# KiCad board for_real_486_rc13.kicad_pcb (continued)
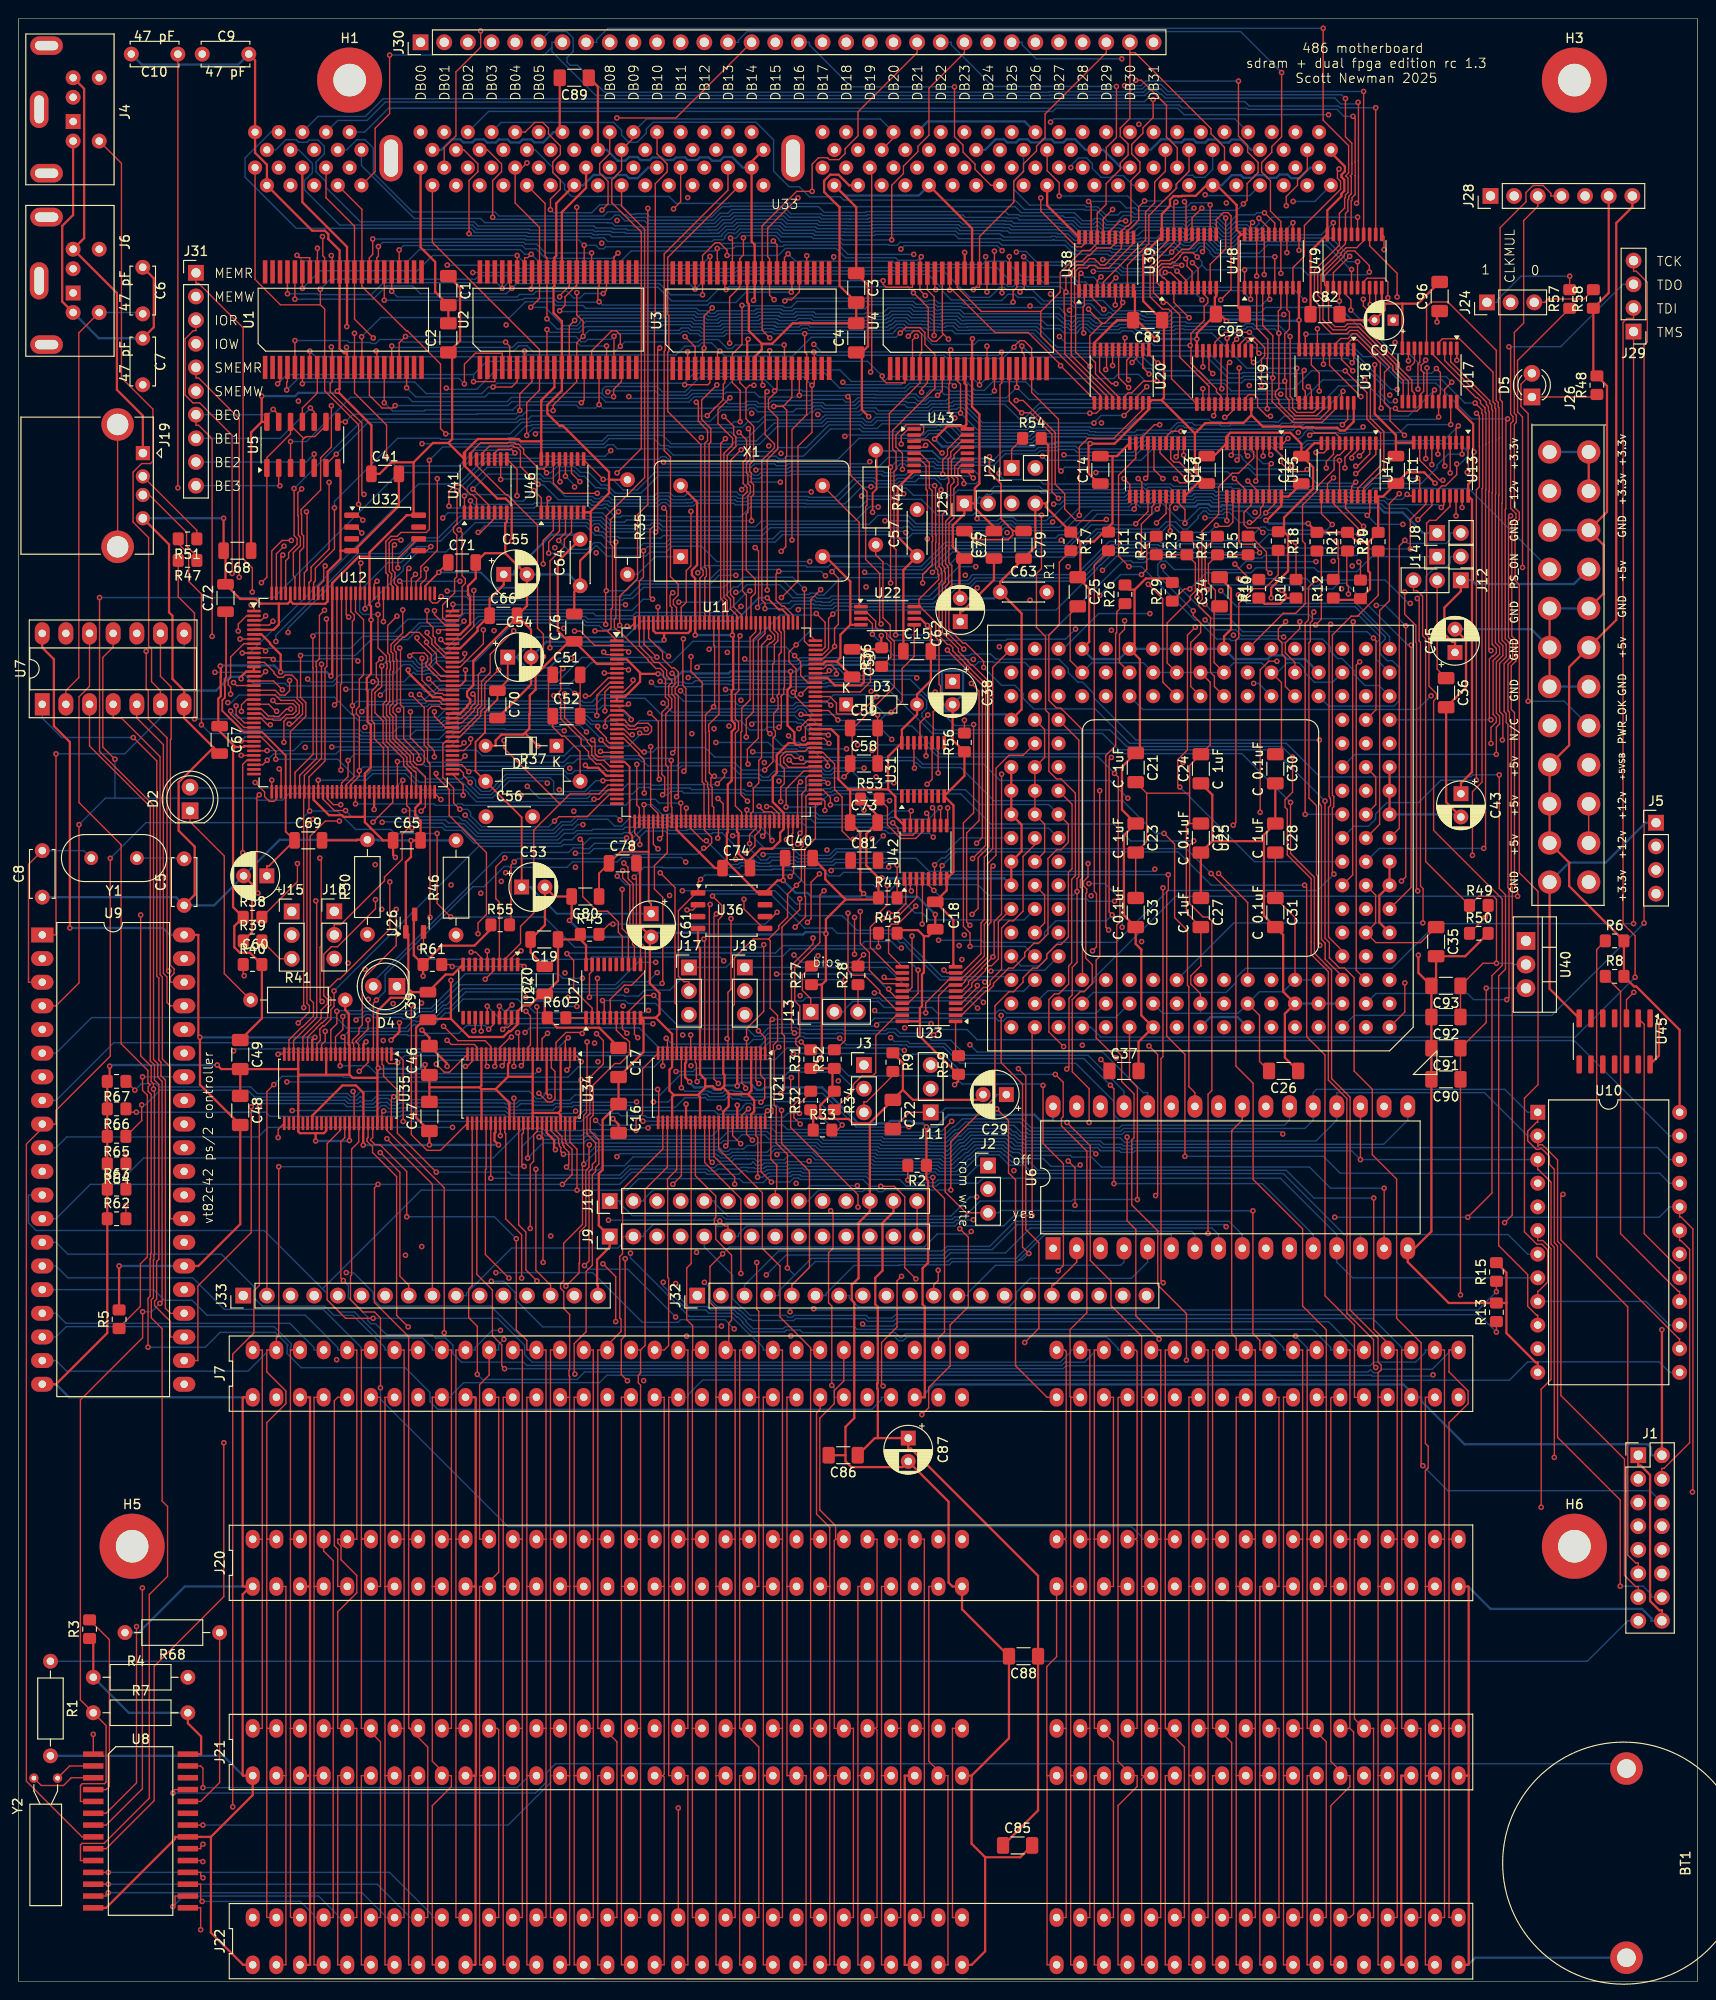
[diagram p0: board, top side]
## Routing (per net, layer and track width the routed paths; a pad name or vN(x,y) marks a point on that pad's centre or on a via; arc(x,y) is an arc through that point) (continued)
DACK_CLK: length 62.4
  Top w0.15: v1(97.55,125.46) 97.75,125.26 U42.12 ; U12.75 47.61,130.68 v1(48.36,129.93) ; U31.12 v1(97.48,131.63)
  In1.Cu w0.15: v1(97.55,125.46) 95.47,127.53 95.47,128.74 ; v1(97.48,131.63) 96.73,131.63 95.47,130.38 95.47,128.74 ; 95.47,128.74 v1(94.03,128.74)
  Bottom w0.15: v1(48.36,129.93) 48.49,130.05 58.63,130.05 58.96,129.73 59.44,129.73 59.76,130.05 70.7,130.05 71.2,130.56 76.58,130.56 77.46,129.67 79.58,129.67 79.91,129.34 80.51,129.34 81.13,129.97 86.17,129.97 86.52,129.61 87.29,129.61 87.64,129.97 89.56,129.97 90.79,128.74 v1(94.03,128.74)
DACK_SERIAL: length 69.7
  Top w0.15: U12.76 47.52,131.18 v1(47.96,131.62) ; v1(93.91,124.45) 94.47,123.89 94.47,123.54 94.89,123.12 96.06,123.12 96.44,123.5 U42.14
  In2.Cu w0.15: v1(47.96,131.62) 42.08,125.75 v1(41.42,125.75)
  Bottom w0.15: v1(93.91,124.45) 85.49,124.45 85.11,124.83 70.18,124.83 69.99,125.02 69.96,125.02 69.89,124.96 69,124.96 68.94,125.02 65.72,125.02 64.8,124.1 64.02,124.1 63.29,124.83 60.09,124.83 59.47,124.2 58.44,124.2 57.56,123.31 49.36,123.31 47.98,124.69 47.67,124.69 47.26,125.1 43.01,125.1 42.36,125.75 v1(41.42,125.75)
DB00: length 227.7
  Top w0.15: 32.41,180.08 32.88,179.61 U1.9 32.88,170.84 36.52,167.2 v1(36.52,158.65) ; 32.41,180.08 28.12,180.08 25.4,182.8 U33.2 ; 32.41,180.08 v1(32.41,181.75) ; U17.18 153.19,171.01 v1(153.95,171.77) ; v1(47.32,155.92) 47.64,155.59 47.64,150.97 47.98,150.63 47.98,150.15 47.64,149.81 47.64,146.92 47.4,146.68 U12.107 ; U49.3 v1(141.88,180.47)
  In1.Cu w0.15: v1(47.32,155.92) 47.32,156.27 44.94,158.65 v1(36.52,158.65) ; J30.1 42.05,208.28 41.99,208.34 33.85,208.34 26.67,201.16 26.67,198.23 25.4,196.96 U33.2
  Bottom w0.15: v1(153.95,171.77) 153.35,172.37 149.31,172.37 141.88,179.8 ; 141.88,179.8 133.96,179.8 133.43,179.26 124.06,179.26 123.53,178.73 121.09,178.73 120.95,178.87 120.72,178.87 120.51,179.08 117.46,179.08 117.27,179.26 117.09,179.26 116.82,179 116.34,179 115.51,179.83 115.51,179.85 115.17,180.19 114.69,180.19 114.36,179.85 114.36,179.84 114.31,179.8 113.4,179.8 113.05,180.15 112.32,180.15 112.32,180.15 109.84,180.15 109.12,180.87 107.34,180.87 107,181.21 106.28,181.21 105.61,180.54 101.65,180.54 101.58,180.61 100.19,180.61 99.28,181.52 99.28,181.77 97.69,183.36 93.82,183.36 93.81,183.37 77.32,183.37 77.14,183.2 49.42,183.2 49.05,182.83 33.49,182.83 v1(32.41,181.75) ; 141.88,179.8 v1(141.88,180.47)
DB01: length 218.8
  Top w0.15: v1(33.59,175.55) 33.68,175.47 U1.10 33.68,171.83 33.47,171.62 33.47,170.75 36.06,168.16 36.09,168.16 36.87,167.38 36.87,159.94 v1(37.1,159.72) ; v1(152.3,173.24) 152.73,172.81 152.73,170.49 152.55,170.31 U17.17 v1(152.55,168.03) ; v1(47.1,160.11) 47.1,156.56 46.72,156.18 46.72,155.7 47.06,155.36 47.06,150.86 46.83,150.63 46.83,149.12 45.55,147.84 45.55,146.47 45.84,146.18 U12.106 ; U49.4 142.54,181.21 143.12,180.63 v1(143.12,179.51)
  In1.Cu w0.15: v1(47.1,160.11) 46.7,159.72 v1(37.1,159.72) ; U33.3 30.08,192.91 31.63,194.45 31.63,195.09 33.14,196.61 33.14,197.12 34.11,198.09 34.11,198.71 35.07,199.67 37.2,199.67 44.68,207.15 45.72,207.15 J30.2
  In2.Cu w0.15: v1(33.59,175.55) 31.48,177.66 31.48,181.68 29.21,183.96 U33.3
  Bottom w0.15: v1(143.12,179.51) 147.8,174.83 149.38,174.83 150.67,173.53 150.67,173.1 151.05,172.72 151.79,172.72 v1(152.3,173.24) ; v1(47.1,160.11) 50.23,163.25 56.35,163.25 56.35,163.25 57.37,163.25 57.59,163.47 68.74,163.47 69.03,163.76 69.51,163.76 69.94,163.34 78.39,163.34 78.87,163.82 81.37,163.82 81.69,163.5 82.17,163.5 82.49,163.82 84.3,163.82 87.23,166.75 90.34,166.75 90.64,166.44 94.56,166.44 95.05,166.94 98.55,166.94 98.78,167.17 98.83,167.17 99.03,166.97 100.11,166.97 101.1,165.97 108.63,165.97 108.93,166.28 109.02,166.28 109.36,166.61 114.94,166.61 115.1,166.45 115.64,166.45 115.69,166.4 119.9,166.4 120.12,166.63 123.67,166.63 124.47,167.43 126.04,167.43 126.31,167.16 129.09,167.16 129.18,167.07 130.1,167.07 130.19,167.16 134.82,167.16 134.86,167.12 135.45,167.12 135.68,167.35 136.64,167.35 137.07,167.78 152.3,167.78 v1(152.55,168.03)
DB02: length 229.9
  Top w0.15: U17.16 151.89,170.73 v1(152.1,170.93) ; U49.7 144.49,182.55 144.88,182.94 146.7,182.94 147.09,182.55 v1(147.09,180.83) ; v1(44.67,147.23) 44.67,146.81 45.8,145.68 U12.105 ; v1(36.08,177.02) U1.13 36.08,170.61 39.52,167.17 v1(39.52,163.72)
  In1.Cu w0.15: J30.3 47.13,208.28 47.13,208.56 46.29,209.41 45.21,209.41 44.42,208.61 44.42,207.42 43.32,206.32 38.79,206.32 37.12,207.99 34,207.99 31.78,205.78 31.78,198.27 30.36,196.84 30.36,196.33 28.85,194.82 U33.4
  In2.Cu w0.15: v1(39.52,163.72) 39.45,163.65 39.45,152.29 40.5,151.24 40.96,151.24 44.67,147.53 v1(44.67,147.23) ; v1(147.09,180.83) 150.56,177.37 150.56,172.47 v1(152.1,170.93) ; v1(36.08,177.02) 36.08,177.74 32.65,181.17 32.17,181.17 31.84,181.51 31.84,182.08 30.5,183.41 30.5,193.13 28.81,194.82 U33.4
  Bottom w0.15: v1(39.52,163.72) 40.47,162.77 47.29,162.77 48.99,164.46 52.79,164.46 53.08,164.76 62.98,164.76 63.28,165.05 63.87,165.05 64.32,164.61 69.66,164.61 70.33,163.94 77.86,163.94 78.24,164.32 81.17,164.32 81.6,164.75 84.61,164.75 87.05,167.18 90.4,167.18 90.79,166.8 92.23,166.8 92.73,167.29 98.4,167.29 98.63,167.52 98.97,167.52 99.13,167.36 100.26,167.36 101.3,166.32 108.48,166.32 108.79,166.63 108.88,166.63 109.21,166.96 115.09,166.96 115.25,166.8 119.04,166.8 120.01,167.78 127.82,167.78 128.07,167.53 129.22,167.53 129.32,167.42 129.95,167.42 130.06,167.53 134.96,167.53 135.01,167.47 135.3,167.47 135.96,168.13 149.29,168.13 v1(152.1,170.93)
DB03: length 214.7
  Top w0.15: v1(36.84,176.65) 36.88,176.61 U1.14 ; U49.8 145.13,180.15 v1(145.19,180.1) ; U17.15 151.29,169.73 v1(151.29,173.3) ; v1(45.1,144.98) 45.29,145.18 U12.104
  In1.Cu w0.15: v1(151.29,173.3) 151.16,173.3 148.44,176.02 148.44,176.28 148.11,176.62 147.84,176.62 146.58,177.88 146.58,178.85 145.33,180.1 v1(145.19,180.1) 142.54,180.1 141.48,179.03 v1(135.91,179.03)
  In2.Cu w0.15: J30.4 49.67,208.28 49.67,208.08 41.51,199.91 35.35,199.91 34.29,198.86 34.29,198.26 33.12,197.09 33.12,196.5 31.75,195.14 U33.5 31.52,192.69 31.52,183.45 36.84,178.14 v1(36.84,176.65) 36.84,168.49 38.42,166.91 38.42,152.14 40,150.55 40,150.02 40.55,149.48 40.6,149.48 v1(45.1,144.98)
  Bottom w0.15: v1(135.91,179.03) 135.79,178.91 128.47,178.91 127.67,178.11 125.51,178.11 125.37,178.24 124.04,178.24 123.82,178.02 120.57,178.02 120.26,178.33 118.09,178.33 117.88,178.12 115.74,178.12 115.56,178.29 115.48,178.29 115.09,178.68 113.74,178.68 113.21,178.16 113.15,178.16 112.94,178.37 112.48,178.37 111.72,179.13 101.56,179.13 101.14,179.55 98.91,179.55 98.83,179.47 98.62,179.47 98.3,179.78 97.99,179.78 97.97,179.76 96.91,179.76 96.89,179.78 96.28,179.78 95.97,180.1 91.37,180.1 90.94,179.67 83.33,179.67 83.11,179.44 82.13,179.44 82.01,179.57 81.92,179.57 81.87,179.63 79.23,179.63 79.05,179.44 75.02,179.44 74.75,179.17 74.27,179.17 74,179.44 73.1,179.44 72.84,179.7 60.93,179.7 60.61,180.02 57.73,180.02 57.35,180.4 54.45,180.4 52.76,178.71 38.9,178.71 v1(36.84,176.65)
DB04: length 215.3
  Top w0.15: U12.102 47.55,144.18 48.9,145.53 v1(48.9,149.4) ; U49.13 145.13,186.41 148.08,183.47 v1(148.08,180.92) ; v1(45.89,166.22) 45.33,166.78 45.33,173.73 41.8,177.26 41.68,177.26 36.88,182.05 36.88,190.32 U33.7 ; v1(151.14,174.14) 151.14,174.05 150.67,173.58 150.67,173.05 150.94,172.79 150.94,170.8 150.59,170.46 150.59,169.05 150.21,168.66 148.2,168.66 v1(147.9,168.96)
  In2.Cu w0.15: v1(45.89,166.22) 45.89,159.92 48.7,157.11 48.7,149.6 v1(48.9,149.4) ; v1(151.14,174.14) 151.14,177.86 v1(148.08,180.92) ; U33.7 35.24,192.91 37.97,195.64 37.97,197.74 39.75,199.52 41.66,199.52 42.33,200.19 44.41,200.19 52.21,208 52.21,208.28 J30.5
  Bottom w0.15: v1(45.89,166.22) 52.8,166.22 54.03,167.45 54.37,167.45 54.37,167.45 54.9,167.45 55.01,167.56 74.26,167.56 75.48,168.77 78.28,168.77 78.51,169 78.99,169 79.4,168.59 83.2,168.59 83.55,168.94 85.18,168.94 85.47,169.22 86.24,169.22 86.52,168.94 90,168.94 90.41,169.36 95.16,169.36 95.46,169.05 97.68,169.05 98.05,169.43 98.33,169.43 98.34,169.42 99.11,169.42 99.11,169.43 99.77,169.43 99.91,169.57 100.23,169.57 100.4,169.74 101.22,169.74 101.23,169.75 101.71,169.75 102.07,169.39 105.93,169.39 107.5,167.82 107.98,167.82 109.66,169.49 139.93,169.49 141.81,171.37 144.99,171.37 147.41,168.96 v1(147.9,168.96)
DB05: length 223.6
  Top w0.15: U12.101 45.8,143.68 v1(45.35,144.13) ; v1(38.1,176.52) 36.08,178.55 36.08,188.53 33.02,191.59 U33.8 ; U17.13 149.94,170.58 149.67,170.85 149.67,172 148.33,173.34 148.33,173.82 144.11,178.04 142.76,178.04 142.46,177.74 141.39,177.74 140.72,178.41 140.72,180.48 139.91,181.29 139.91,183.33 142.06,185.48 142.06,185.67 142.6,186.21 143.73,186.21 144.49,186.97 U49.14 v1(144.49,203)
  In1.Cu w0.15: J30.6 54.75,208.28 54.75,208.07 53.83,207.15 49.53,207.15 49.18,206.79 45.39,206.79 35.44,196.84 35.44,196.33 33.93,194.82 U33.8
  In2.Cu w0.15: v1(38.1,176.52) 39.87,174.76 39.87,164.45 40.14,164.18 40.14,154.86 39.8,154.53 39.8,153.77 41.32,152.26 41.32,151.57 45.67,147.21 45.67,144.45 v1(45.35,144.13)
  Bottom w0.15: v1(144.49,203) 123.47,203 122.71,203.76 121.2,203.76 120.71,203.27 119.72,203.27 119.41,202.96 110.7,202.96 110.65,202.92 62.94,202.92 60.04,205.81 59.25,205.81 58.91,206.15 58.91,206.63 59.57,207.29 59.57,208.74 58.88,209.44 57.04,209.44 J30.6
DB06: length 223.3
  Top w0.15: v1(43.87,147.23) 43.87,146.05 44.52,145.41 44.52,144.52 44.75,144.29 44.75,143.77 45.84,142.68 U12.99 ; 33.68,183.62 33.68,185.28 v1(33.59,185.37) ; U33.9 38.3,194.38 38.3,199.04 39.85,200.6 v1(39.85,206.91) ; U17.12 149.3,171.86 147.97,173.18 147.97,173.67 147.56,174.09 143.96,177.69 142.9,177.69 142.6,177.39 141.21,177.39 140.12,178.47 140.12,180.53 139.56,181.1 139.56,183.48 141.71,185.63 141.71,185.82 142.54,186.64 U49.17 142.54,189.89 142.8,190.15 142.8,191.37 142.89,191.46 142.89,191.73 143.16,192 143.16,193.82 143.05,193.93 143.23,194.1 143.23,195.25 143.22,195.25 143.22,197.43 142.54,198.12 v1(142.54,202.23)
  In2.Cu w0.15: U33.9 36.83,188.61 v1(33.59,185.37) 37.46,181.5 37.46,168.49 38.86,167.1 38.86,152.29 40.35,150.8 40.35,150.17 40.69,149.83 41.28,149.83 v1(43.87,147.23)
  Bottom w0.15: J30.7 57.29,208.28 57.29,207.76 ; v1(39.85,206.91) 56.45,206.91 57.29,207.76 ; 57.29,207.76 57.29,207.27 62,202.57 110.8,202.57 110.84,202.61 119.56,202.61 119.87,202.92 120.86,202.92 121.34,203.41 122.4,203.41 122.55,203.26 122.71,203.26 123.33,202.64 142.12,202.64 v1(142.54,202.23)
DB07: length 227.3
  Top w0.15: U12.98 45.84,142.18 44.39,143.62 44.39,144.15 43.88,144.67 v1(43.88,144.88) ; v1(140.14,209.78) 140.14,199.91 142.87,197.17 142.87,195.1 142.87,195.1 142.87,194.25 142.56,193.93 142.81,193.68 142.81,192.15 142.54,191.87 142.54,191.61 142.44,191.52 142.44,190.47 141.88,189.91 U49.18 141.88,186.49 139.21,183.81 139.21,180.54 139.77,179.98 139.77,178.25 141.04,176.98 142.7,176.98 143.05,177.34 143.81,177.34 147.42,173.73 147.62,173.53 147.62,173.03 148.73,171.92 148.73,169.77 U17.11 ; v1(32.64,187.41) 32.68,187.38 32.68,185.34 32.88,185.14 32.88,183.62
  In1.Cu w0.15: v1(32.64,187.41) 32.51,187.41 31.5,186.41 31.5,179.23 v1(35.22,175.51) ; U33.10 36.7,194.82 37.97,196.09 37.97,198.88 45.47,206.38 49.53,206.38 49.95,206.79 58.58,206.79 59.83,208.05 59.83,208.28 J30.8
  In2.Cu w0.15: v1(35.22,175.51) 35.67,175.06 35.67,162.86 38.07,160.47 38.07,151.99 39.08,150.98 39.08,150.45 43.88,145.65 v1(43.88,144.88) ; v1(32.64,187.41) 32.9,187.67 32.9,193.03 34.69,194.82 U33.10
  Bottom w0.15: v1(140.14,209.78) 63.3,209.78 62.09,208.56 62.09,208.28 J30.8
DB08: length 203.7
  Top w0.15: U48.3 133,177.58 134.2,176.38 134.2,174.44 134.14,174.38 v1(134.14,168.92) ; v1(142.27,170.79) 142.12,170.64 U18.18 ; U33.11 44.45,186.78 55.95,175.27 U2.9 55.95,170.92 54.58,169.54 v1(54.58,166.05) ; v1(29.3,154.77) 28.31,154.77 27.19,153.65 U12.144
  In1.Cu w0.15: v1(29.3,154.77) 29.8,154.77 33.35,158.32 33.35,158.51 33.69,158.85 34.04,158.85 37.81,162.63 50.46,162.63 53.88,166.05 v1(54.58,166.05) ; J30.9 62.37,208.28 62.37,208.1 60.59,206.31 54.43,206.31 46.81,198.69 46.81,198.09 45.84,197.12 45.84,196.61 44.45,195.21 U33.11
  Bottom w0.15: v1(54.58,166.05) 54.58,166.13 55.3,166.85 76.7,166.85 76.8,166.95 77.75,166.95 78.3,167.5 79.47,167.5 80.21,168.24 84.7,168.24 85.05,168.59 85.33,168.59 85.61,168.87 86.09,168.87 86.37,168.59 90.26,168.59 90.68,169 92.09,169 92.39,168.7 97.82,168.7 98.19,169.07 99.9,169.07 99.91,169.08 99.91,169.08 100.05,169.21 100.4,169.21 100.58,169.39 101.37,169.39 101.38,169.4 101.57,169.4 103.54,167.43 108.09,167.43 109.69,169.03 134.14,169.03 ; 134.14,169.03 v1(134.14,168.92) ; 134.14,169.03 140.51,169.03 v1(142.27,170.79)
DB09: length 199.6
  Top w0.15: U12.143 27.69,153.33 v1(28.52,154.16) ; U48.4 133.64,177.85 134.73,176.76 v1(134.73,172.23) 134.65,172.15 134.65,169.69 136.88,167.46 140.02,167.46 141.47,168.91 U18.17 ; v1(56.75,177.42) 56.75,177.42 U2.10
  In1.Cu w0.15: U33.13 46.99,195.18 48.14,196.33 48.14,196.84 49.53,198.23 49.53,198.84 56.55,205.86 62.78,205.86 64.91,208 64.91,208.28 J30.10 ; v1(56.75,177.42) 52.84,177.42 47.31,171.89 47.31,171.19 46.33,170.21 44.82,170.21 35.02,160.41 35.02,160.33 34.07,159.38 33.91,159.38 33.74,159.2 33.54,159.2 33,158.66 33,158.46 31.24,156.71 30.63,156.71 29.31,155.39 29.1,155.39 28.72,155.01 28.72,154.36 v1(28.52,154.16)
  In2.Cu w0.15: v1(56.75,177.42) 56.09,178.08 56.09,179.59 48.92,186.75 48.41,186.75 46.99,188.17 U33.13
  Bottom w0.15: v1(56.75,177.42) 57.05,177.12 60.26,177.12 60.87,177.73 69.07,177.73 69.28,177.94 72.11,177.94 72.37,177.69 73.27,177.69 73.54,177.41 75.48,177.41 75.75,177.69 79.78,177.69 79.96,177.87 81.14,177.87 81.2,177.81 81.28,177.81 81.41,177.69 83.84,177.69 84.06,177.91 84.83,177.91 85.05,177.69 93.33,177.69 93.6,177.95 93.8,177.95 94.18,178.34 95.24,178.34 95.59,177.99 96.96,177.99 97,177.95 97.62,177.95 97.86,177.71 98.74,177.71 98.77,177.68 99.52,177.68 99.64,177.79 100.41,177.79 100.87,177.33 102.04,177.33 102.08,177.37 109.24,177.37 111.44,175.16 120.58,175.16 121.15,174.59 127.54,174.59 129.9,172.23 131.42,172.23 131.59,172.4 134.56,172.4 v1(134.73,172.23)
DB10: length 208.4
  Top w0.15: U18.16 140.82,168.84 139.79,167.82 137.03,167.82 135.38,169.46 135.38,169.87 135.01,170.25 135.01,170.72 135.38,171.1 v1(135.38,177.03) 135.32,177.09 135.32,179.41 135.59,179.68 U48.7 ; v1(59.73,178.4) 59.16,177.83 U2.13 ; U12.142 28.19,153.01 v1(28.38,153.2) ; v1(49.63,209.5) 49.63,207.75 46.98,205.1 46.98,198.22 45.72,196.96 U33.14
  In1.Cu w0.15: v1(28.38,153.2) 27.94,153.64 27.94,154.73 30.27,157.06 31,157.06 32.65,158.71 32.65,158.81 33.57,159.73 33.92,159.73 34.67,160.48 34.67,160.56 44.67,170.56 46.18,170.56 46.52,170.89 46.52,172.07 v1(52.38,177.92) 52.45,178 59.32,178 v1(59.73,178.4) ; v1(49.63,209.5) 66.51,209.5 67.45,208.56 67.45,208.28 J30.11
  In2.Cu w0.15: v1(52.38,177.92) 47.86,182.44 47.86,183.66 45.57,185.95 45.57,194.67 U33.14
  Bottom w0.15: v1(135.38,177.03) 134.94,177.47 132.7,177.47 132.46,177.71 131.98,177.71 131.75,177.47 130.2,177.47 130.14,177.41 125.22,177.41 125.15,177.47 124.26,177.47 124.11,177.32 120.1,177.32 119.8,177.62 118.38,177.62 118.17,177.41 115.45,177.41 115.27,177.59 115.19,177.59 114.8,177.98 114.03,177.98 113.46,177.41 112.9,177.41 112.65,177.66 112.19,177.66 111.98,177.87 110.48,177.87 109.92,178.42 101.64,178.42 101.61,178.39 101.31,178.39 100.85,178.85 99.2,178.85 99.12,178.77 98.33,178.77 98.06,179.03 97.41,179.03 97.4,179.04 96.03,179.04 95.68,179.39 93.74,179.39 93.36,179.01 93.17,179.01 93,178.84 91.11,178.84 91.01,178.74 85.49,178.74 85.27,178.97 83.62,178.97 83.4,178.74 81.84,178.74 81.72,178.87 81.63,178.87 81.57,178.92 79.53,178.92 79.34,178.74 75.31,178.74 75.04,178.47 73.98,178.47 73.71,178.74 72.81,178.74 72.55,179 60.32,179 v1(59.73,178.4)
DB11: length 201.8
  Top w0.15: U48.8 136.25,179.57 136.52,179.3 136.52,177.47 136.02,176.97 v1(136.02,171.88) 136.16,171.73 136.16,170.17 136.48,169.86 136.48,168.86 137.17,168.17 139.43,168.17 140.17,168.91 U18.15 ; v1(57.42,168.72) 57.42,169.29 59.95,171.83 U2.14 59.95,176 v1(60.64,176.69) 60.64,178.31 59.96,178.99 v1(59.96,181.39) ; U12.141 28.69,152.59 29.01,152.91 29.01,153.46 29.91,154.36 29.91,154.97 29.59,155.29 v1(29.59,160.35)
  In1.Cu w0.15: J30.12 69.99,208.28 69.99,208 67.5,205.51 61.27,205.51 54.61,198.85 54.61,198.23 53.22,196.84 53.22,196.33 52.56,195.67 51.53,195.67 51.31,195.9 50.37,195.9 49.53,195.06 U33.15
  In2.Cu w0.15: U33.15 59.96,182.48 v1(59.96,181.39)
  Bottom w0.15: v1(29.59,160.35) 37.05,167.8 53.39,167.8 53.74,168.15 54.07,168.15 54.64,168.72 v1(57.42,168.72) ; v1(60.64,176.69) 61.29,177.33 70.94,177.33 71.2,177.59 71.97,177.59 72.22,177.33 73.13,177.33 73.4,177.06 75.62,177.06 75.9,177.33 79.92,177.33 80.11,177.52 80.99,177.52 81.05,177.46 81.13,177.46 81.26,177.33 83.98,177.33 84.21,177.56 84.68,177.56 84.91,177.33 93.48,177.33 93.75,177.6 93.94,177.6 94.33,177.99 95.09,177.99 95.45,177.64 96.82,177.64 96.85,177.6 97.44,177.6 97.68,177.36 98.59,177.36 98.63,177.32 100.28,177.32 100.62,176.98 102.19,176.98 102.23,177.02 108.98,177.02 111.18,174.81 119.99,174.81 120.36,174.45 120.79,174.45 121.64,173.6 121.8,173.6 122.41,172.99 126.81,172.99 127.81,171.99 129.64,171.99 129.93,171.7 131.39,171.7 131.74,172.05 133.69,172.05 134.09,171.65 135.79,171.65 v1(136.02,171.88)
DB12: length 203.5
  Top w0.15: v1(59.95,190.55) 59.95,182.09 59.85,182.09 58.7,180.94 58.7,180.02 v1(58.12,179.44) ; U18.14 139.52,168.92 139.12,168.52 137.32,168.52 136.86,168.98 136.86,169.97 136.59,170.24 v1(136.59,176.67) ; U12.139 29.69,150.81 29.51,150.98 29.51,153.47 30.27,154.22 30.27,155.11 30.06,155.32 30.06,157.41 30,157.47 30,159.89 v1(30.41,160.31) ; v1(136.25,185.69) U48.13
  In1.Cu w0.15: v1(59.95,190.55) 59.56,190.94 49.96,190.94 48.26,192.64 U33.16 ; v1(58.12,179.44) 55.58,179.44 55.2,179.06 52.16,179.06 33.97,160.87 33.97,160.77 33.63,160.43 30.53,160.43 v1(30.41,160.31)
  In2.Cu w0.15: v1(136.25,185.69) 134.99,184.43 134.99,178.28 v1(136.59,176.67) ; v1(59.95,190.55) 60.95,191.54 60.95,193.33 62.11,194.5 62.11,194.93 63.62,196.45 63.62,197.09 64.77,198.23 64.77,198.88 73.04,207.15 73.66,207.15 J30.13
  Bottom w0.15: v1(136.59,176.67) 135.44,177.82 132.84,177.82 132.61,178.06 131.84,178.06 131.6,177.82 130.06,177.82 129.99,177.76 125.36,177.76 125.3,177.82 124.12,177.82 123.96,177.67 120.31,177.67 120.01,177.98 118.24,177.98 118.03,177.76 115.59,177.76 115.42,177.94 115.34,177.94 114.95,178.33 113.88,178.33 113.32,177.76 113.04,177.76 112.79,178.02 112.33,178.02 112.12,178.22 112.07,178.22 111.52,178.78 101.5,178.78 101.46,178.74 101.45,178.74 100.99,179.2 99.06,179.2 98.98,179.12 98.47,179.12 98.21,179.38 97.56,179.38 97.55,179.39 96.17,179.39 95.82,179.75 93.41,179.75 92.85,179.19 90.96,179.19 90.86,179.09 85.64,179.09 85.41,179.32 83.48,179.32 83.25,179.09 81.99,179.09 81.86,179.22 81.78,179.22 81.72,179.28 79.38,179.28 79.2,179.09 75.17,179.09 74.9,178.82 74.13,178.82 73.86,179.09 72.95,179.09 72.69,179.35 58.2,179.35 v1(58.12,179.44)
DB13: length 201.8
  Top w0.15: U12.138 30.19,153.58 30.62,154.01 30.62,155.26 30.41,155.47 30.41,157.55 30.35,157.61 30.35,158.09 32.44,160.18 32.44,163.65 33.6,164.8 v1(33.6,169.24) ; v1(58.12,180.94) 58.12,181.05 59.16,182.09 59.16,183.62 ; U18.13 138.87,170.97 v1(138.55,171.29) ; v1(135.67,205.03) 135.67,198.13 134.62,197.08 134.62,196.46 133.53,195.37 133.53,194.35 134.48,193.41 134.48,190.14 135.59,189.03 U48.14 v1(135.59,183.46)
  In1.Cu w0.15: v1(33.6,169.24) 37.76,169.24 49.11,180.59 57.77,180.59 v1(58.12,180.94)
  In2.Cu w0.15: J30.14 76.2,207.15 75.58,207.15 67.31,198.88 67.31,198.23 65.92,196.84 65.92,196.4 64.89,195.38 64.89,194.55 63.38,193.03 63.38,192.15 59.23,188 ; 59.23,188 56.99,188 U33.17 ; 59.23,188 59.23,185.76 60.54,184.44 60.54,181.06 60.26,180.78 58.29,180.78 v1(58.12,180.94) ; v1(138.55,171.29) 138.73,171.47 138.73,175.65 136.81,177.57 136.81,182.24 v1(135.59,183.46)
  Bottom w0.15: v1(135.67,205.03) 131.28,209.43 78.25,209.43 77.33,208.5 77.33,208.28 J30.14
DB14: length 200.3
  Top w0.15: U18.12 138.22,170.8 137.95,171.07 137.95,172.89 v1(138.1,173.04) ; v1(56.75,178.58) 56.75,185.14 56.55,185.34 56.55,190.97 U33.19 ; U12.137 30.69,151.31 30.98,151.6 30.98,157.79 v1(30.92,157.85) ; v1(133.81,183.33) 133.81,187.48 U48.17 ; J30.15 70.61,200.15 v1(64.26,200.15)
  In1.Cu w0.15: v1(56.75,178.58) 52.17,178.58 34.32,160.72 34.32,160.62 33.78,160.08 33.15,160.08 v1(30.92,157.85) ; v1(64.26,200.15) 64.64,200.15 64.9,199.9 64.9,198.5 63.37,196.98 63.37,196.21 62.1,194.94 62.1,194.44 60.96,193.29 60.96,192.02 60.33,191.39 60.2,191.52 55.5,191.52 54.61,192.4 U33.19
  In2.Cu w0.15: v1(138.1,173.04) 138.1,173.46 133.81,177.75 v1(133.81,183.33)
  Bottom w0.15: v1(138.1,173.04) 137.75,172.69 135.12,172.69 135,172.81 131.5,172.81 131.4,172.71 130.07,172.71 127.67,175.11 121.32,175.11 120.92,175.51 111.59,175.51 109.38,177.72 101.93,177.72 101.9,177.69 101.02,177.69 100.56,178.15 99.5,178.15 99.38,178.03 98.92,178.03 98.88,178.06 98.04,178.06 97.77,178.33 97.74,178.33 97.72,178.31 97.14,178.31 97.11,178.34 95.74,178.34 95.39,178.69 94.03,178.69 93.65,178.31 93.46,178.31 93.29,178.14 91.4,178.14 91.3,178.04 85.2,178.04 84.98,178.26 83.92,178.26 83.69,178.04 81.55,178.04 81.43,178.16 81.34,178.16 81.28,178.22 79.82,178.22 79.63,178.04 75.6,178.04 75.33,177.77 73.69,177.77 73.42,178.04 72.52,178.04 72.26,178.3 60.93,178.3 60.66,178.02 60.12,177.48 57.85,177.48 v1(56.75,178.58)
DB15: length 201.8
  Top w0.15: U18.11 137.3,169.82 v1(137.3,173.27) ; v1(33.35,161.01) 33.35,153.84 31.41,151.91 31.41,150.47 31.19,150.25 U12.136 ; v1(55.01,179.81) 55.95,180.76 55.95,188.39 53.34,191.01 U33.20 54.1,194.82 v1(54.61,195.33) ; v1(133,183.16) 133,183.17 U48.18
  In1.Cu w0.15: v1(54.61,195.33) 54.86,195.33 55.88,196.34 55.88,197.23 56.01,197.23 57.15,198.37 57.15,200.53 59.82,203.2 76.2,203.2 J30.16 ; v1(33.35,161.01) 52.16,179.81 v1(55.01,179.81)
  In2.Cu w0.15: v1(133,183.16) 133.35,182.81 133.35,177.22 v1(137.3,173.27)
  Bottom w0.15: v1(137.3,173.27) 131.95,173.27 128.17,177.04 124.33,177.04 124.25,176.97 119.9,176.97 119.6,177.27 118.53,177.27 118.32,177.06 115.22,177.06 114.65,177.63 114.18,177.63 113.84,177.29 113.84,177.18 113.72,177.06 112.29,177.06 111.83,177.52 110.12,177.52 109.56,178.07 101.79,178.07 101.75,178.04 101.16,178.04 100.7,178.5 99.35,178.5 99.23,178.38 99.06,178.38 99.03,178.41 98.18,178.41 97.92,178.68 97.48,178.68 97.46,178.66 97.29,178.66 97.25,178.69 95.88,178.69 95.53,179.04 93.89,179.04 93.5,178.66 93.31,178.66 93.14,178.49 91.25,178.49 91.15,178.39 85.35,178.39 85.12,178.61 83.77,178.61 83.55,178.39 81.7,178.39 81.57,178.51 81.49,178.51 81.43,178.57 79.67,178.57 79.49,178.39 75.46,178.39 75.19,178.12 73.84,178.12 73.56,178.39 72.66,178.39 72.4,178.65 60.67,178.65 60.31,178.29 60.31,178.17 59.97,177.83 58.54,177.83 56.56,179.81 v1(55.01,179.81)
DB16: length 183.7
  Top w0.15: v1(77.71,180.02) 77.71,175.82 76.67,174.78 U3.9 76.67,171.73 77.51,170.89 v1(77.51,167.53) ; v1(131.12,173.28) 131.12,173.28 U19.18 ; U33.55 104.46,192.91 102.75,194.62 102.75,195.18 101.45,196.48 101.45,197.23 100.54,198.15 v1(100.54,203.49) ; U39.3 124.11,180.33 v1(125.75,178.69) ; U12.135 31.69,150.25 31.87,150.44 31.87,151.79 33.93,153.85 v1(33.93,158.28)
  In2.Cu w0.15: v1(131.12,173.28) 129.89,173.28 128.18,174.99 128.18,176.25 v1(125.75,178.69) ; v1(108.66,179.96) 108.66,189.17 105.41,192.42 U33.55
  Bottom w0.15: v1(77.51,167.53) 76.86,167.53 76.54,167.21 55.16,167.21 55.05,167.1 54.51,167.1 53.23,165.81 52.65,165.81 52.48,165.64 45.37,165.64 45.26,165.75 40.71,165.75 33.93,158.96 v1(33.93,158.28) ; J30.17 84.95,208.28 84.95,208 89.45,203.49 v1(100.54,203.49) ; 108.66,179.8 111.77,179.8 112.74,178.83 113.39,178.83 113.59,179.04 115.24,179.04 115.63,178.64 116.97,178.64 117.14,178.82 117.22,178.82 117.31,178.73 120.36,178.73 120.57,178.51 120.8,178.51 120.94,178.38 123.67,178.38 124.02,178.73 125.71,178.73 v1(125.75,178.69) ; 108.66,179.8 108.64,179.79 101.4,179.79 101.28,179.9 98.77,179.9 98.72,179.86 98.45,180.14 97.85,180.14 97.82,180.11 97.06,180.11 97.03,180.14 96.43,180.14 96.11,180.45 83.62,180.45 82.96,179.8 82.28,179.8 82.15,179.92 82.07,179.92 82.01,179.98 77.75,179.98 v1(77.71,180.02) ; 108.66,179.8 v1(108.66,179.96)
DB17: length 184.3
  Top w0.15: U19.17 130.47,168.75 129.71,168 v1(129.56,168) ; 78.14,171.06 78.51,171.44 v1(78.99,171.44) ; 78.14,171.06 77.47,171.73 U3.10 ; 78.14,171.06 78.14,167.84 78.97,167.01 78.97,166.54 78.95,166.52 78.95,163.35 78.7,163.1 78.7,163.09 78.54,162.92 78.54,162.19 78.69,162.03 78.69,161.02 78.96,160.76 78.96,159.7 78.69,159.44 78.69,157.21 78.74,157.16 v1(78.74,156.88) ; v1(32.93,152.04) 32.78,151.88 32.78,150.44 32.19,149.86 U12.134 ; U39.4 124.76,182.54 123.74,183.55 v1(123.19,183.55)
  In1.Cu w0.15: v1(32.93,152.04) 34.71,153.81 39.08,153.81 42.45,157.18 v1(45.57,157.18) ; J30.18 87.49,208.28 87.49,208 95.81,199.67 102.08,199.67 102.87,198.88 102.87,198.23 103.96,197.14 103.96,195 U33.56 104.14,192.65 112.73,184.06 115.05,184.06 v1(115.45,183.66)
  In2.Cu w0.15: J30.18 86.36,207.15 81.08,201.87 81.08,190.76 81.66,190.18 81.66,186.36 80.23,184.93 80.23,180.25 80.58,179.9 80.58,179.67 79.76,178.85 79.76,175.71 79.41,175.36 79.41,171.86 v1(78.99,171.44) ; v1(129.56,168) 129.44,168 124.11,173.33 124.11,180.93 123.77,181.27 123.77,182.93 123.19,183.51 v1(123.19,183.55)